# KiCad board dynamis.kicad_pcb (continued)
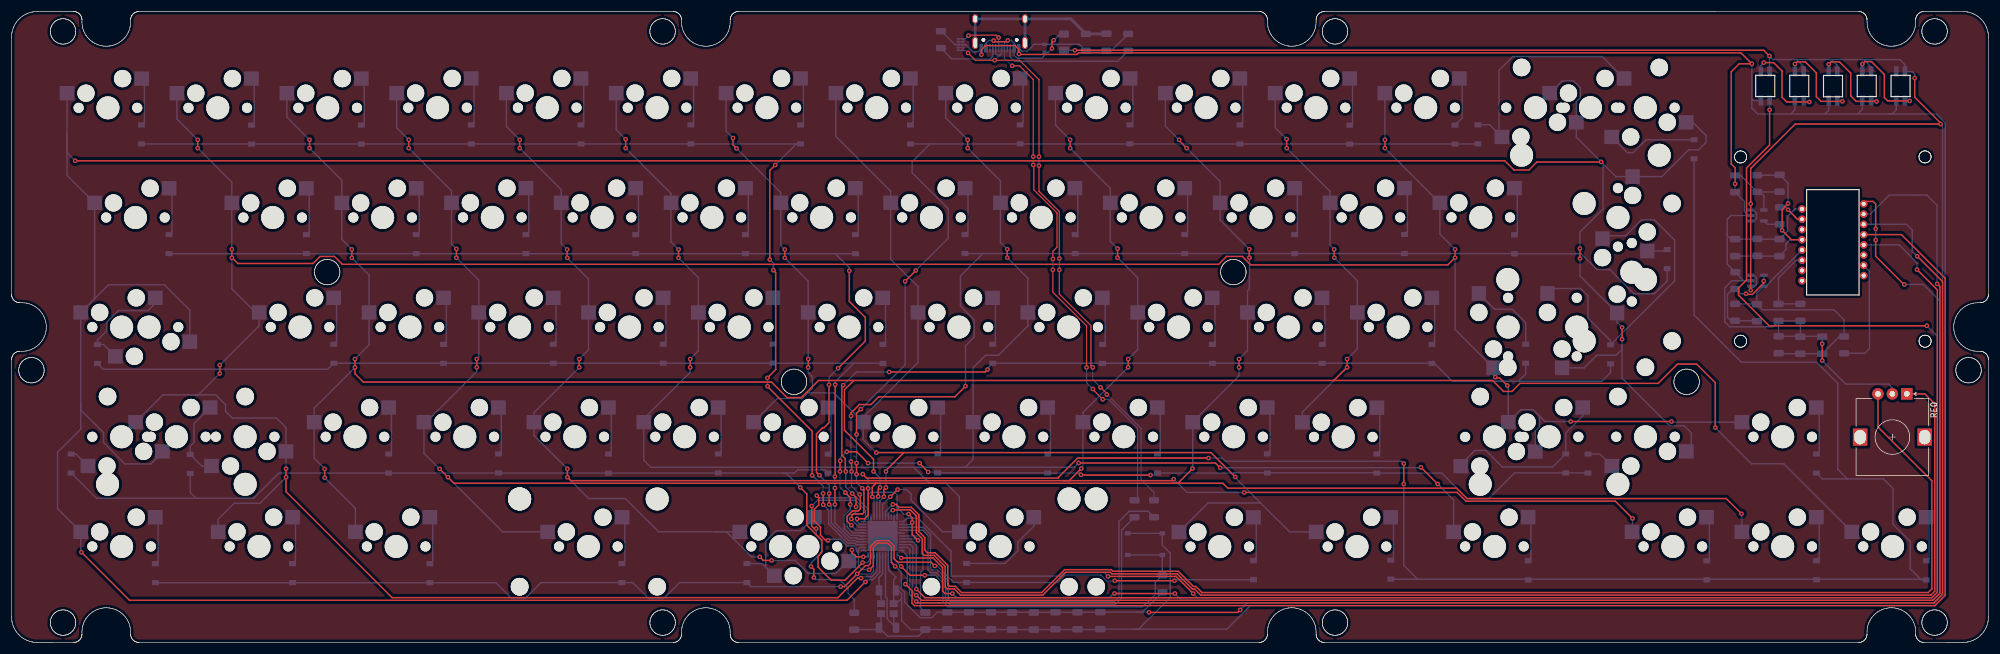
[diagram p0: board, top side]
## Nets
+5V: C3.1 C4.1 C5.1 C6.1 C13.1 C14.1 C17.1 C18.1 F0.2 LED00.1 LED01.1 LED02.1 LED03.1 LED04.1 R5.1 U0.2 U0.7 U0.14 U0.24 U0.34 U0.44 U2.1 U2.3 U3.1 U3.3
GND: C0.1 C1.2 C2.2 C3.2 C4.2 C5.2 C6.2 C7.2 C8.2 C9.2 C10.2 C11.2 C12.2 C13.2 C14.2 C16.2 C17.2 C18.2 C20.2 C21.1 ESDD0.2 J0.A1 J0.A12 J0.B1 J0.B12 LED00.3 LED01.3 LED02.3 LED03.3 LED04.3 R2.1 R3.1 R4.1 R10.2 R12.2 R13.1 RE0.C RESET_SW0.C RESET_SW0.D U0.5 U0.15 U0.23 U0.35 U0.43 U0.45 U1.8 U2.2 U3.2 U4.3 U4.8 Y0.2 Y0.4
GNDPWR: C21.2 J0.S1 R13.2
VCC: ESDD0.1 F0.1 J0.A4 J0.A9 J0.B4 J0.B9
VDD_3_3v: C11.1 C12.1 C19.1 C20.1 R6.2 R11.1 U1.5 U3.5
VDD_SS: C9.1 C10.1 C15.1 C16.1 R7.1 R9.1 U1.4 U2.5
col00: SW00_00.1 SW01_00.1 SW03_00.1 SW04_00.1 SW06_00.1 SW08_00.1 SW09_00.1 SWBS_L00.1 SWBS_S00.1 SWCL_N00.1 SWCL_S00.1 SWET_AN00.1 SWET_IS00.1 U0.18
col01: SW00_01.1 SW01_01.1 SW02_01.1 SW04_01.1 SW05_01.1 SW06_01.1 SW07_01.1 SW09_01.1 SWLS_L01.1 SWLS_S01.1 SWRS_L01.1 SWRS_S01.1 U0.19
col02: SW00_02.1 SW01_02.1 SW02_02.1 SW03_02.1 SW04_02.1 SW05_02.1 SW06_02.1 SW07_02.1 SW08_02.1 SW09_02.1 U0.37
col03: SW00_03.1 SW01_03.1 SW02_03.1 SW03_03.1 SW04_03.1 SW05_03.1 SW06_03.1 SW07_03.1 SW08_03.1 SW09_03.1 U0.36
col04: SW00_04.1 SW01_04.1 SW02_04.1 SW03_04.1 SW05_04.1 SW06_04.1 SW07_04.1 SW08_04.1 SW09_04.1 SWSP_L04.1 SWSP_S04.1 U0.22
col05: SW00_05.1 SW01_05.1 SW02_05.1 SW03_05.1 SW04_05.1 SW05_05.1 SW06_05.1 SW07_05.1 SW08_05.1 SW09_05.1 U0.39
col06: SW00_06.1 SW01_06.1 SW02_06.1 SW03_06.1 SW04_06.1 SW05_06.1 SW06_06.1 SW07_06.1 SW08_06.1 SW09_06.1 U0.38
D+: J0.A6 J0.B6 R0.2 U4.4 U4.5 U4.6 U4.7
D-: J0.A7 J0.B7 R1.2 U4.1 U4.2 U4.9 U4.10
LED: LED00.4 U0.1
MISO: U0.11 U1.12
MOSI: U0.10 U1.11
MOTION: U0.12 U1.9
NCS: U0.8 U1.13
RE_A: RE0.A U0.41
RE_B: RE0.B U0.40
RESET: R5.2 RESET_SW0.A RESET_SW0.B U0.13
row00: D00_00.1 D00_01.1 D00_02.1 D00_03.1 D00_04.1 D00_05.1 D00_06.1 U0.25
row01: D01_00.1 D01_01.1 D01_02.1 D01_03.1 D01_04.1 D01_05.1 D01_06.1 U0.26
row02: D02_00.1 D02_01.1 D02_02.1 D02_03.1 D02_04.1 D02_05.1 D02_06.1 U0.27
row03: D03_00.1 D03_01.1 D03_02.1 D03_03.1 D03_04.1 D03_05.1 D03_06.1 U0.21
row04: D04_00.1 D04_01.1 D04_02.1 D04_03.1 D04_04.1 D04_05.1 D04_06.1 U0.20
row05: D05_00.1 D05_01.1 D05_02.1 D05_03.1 D05_04.1 D05_05.1 D05_06.1 U0.31
row06: D06_00.1 D06_01.1 D06_02.1 D06_03.1 D06_04.1 D06_05.1 D06_06.1 U0.30
row07: D07_00.1 D07_01.1 D07_02.1 D07_03.1 D07_04.1 D07_05.1 D07_06.1 U0.29
row08: D08_00.1 D08_01.1 D08_02.1 D08_03.1 D08_04.1 D08_05.1 D08_06.1 U0.28
row09: D09_00.1 D09_01.1 D09_02.1 D09_03.1 D09_04.1 D09_05.1 D09_06.1 U0.32
SCLK: U0.9 U1.10
Net-(C0-Pad2): C0.2 U0.17 Y0.3
Net-(C1-Pad1): C1.1 U0.16 Y0.1
Net-(C2-Pad1): C2.1 U0.6
Net-(C7-Pad1): C7.1 C8.1 U1.3
Net-(C15-Pad2): C15.2 R9.2 R10.1 U2.4
Net-(C19-Pad2): C19.2 R11.2 R12.1 U3.4
Net-(D00_00-Pad2): D00_00.2 SW00_00.2
Net-(D00_01-Pad2): D00_01.2 SW00_01.2
Net-(D00_02-Pad2): D00_02.2 SW00_02.2
Net-(D00_03-Pad2): D00_03.2 SW00_03.2
Net-(D00_04-Pad2): D00_04.2 SW00_04.2
Net-(D00_05-Pad2): D00_05.2 SW00_05.2
Net-(D00_06-Pad2): D00_06.2 SW00_06.2
Net-(D01_00-Pad2): D01_00.2 SW01_00.2
Net-(D01_01-Pad2): D01_01.2 SW01_01.2
Net-(D01_02-Pad2): D01_02.2 SW01_02.2
Net-(D01_03-Pad2): D01_03.2 SW01_03.2
Net-(D01_04-Pad2): D01_04.2 SW01_04.2
Net-(D01_05-Pad2): D01_05.2 SW01_05.2
Net-(D01_06-Pad2): D01_06.2 SW01_06.2
Net-(D02_00-Pad2): D02_00.2 SWCL_N00.2 SWCL_S00.2
Net-(D02_01-Pad2): D02_01.2 SW02_01.2
Net-(D02_02-Pad2): D02_02.2 SW02_02.2
Net-(D02_03-Pad2): D02_03.2 SW02_03.2
Net-(D02_04-Pad2): D02_04.2 SW02_04.2
Net-(D02_05-Pad2): D02_05.2 SW02_05.2
Net-(D02_06-Pad2): D02_06.2 SW02_06.2
Net-(D03_00-Pad2): D03_00.2 SW03_00.2
Net-(D03_01-Pad2): D03_01.2 SWLS_L01.2 SWLS_S01.2
Net-(D03_02-Pad2): D03_02.2 SW03_02.2
Net-(D03_03-Pad2): D03_03.2 SW03_03.2
Net-(D03_04-Pad2): D03_04.2 SW03_04.2
Net-(D03_05-Pad2): D03_05.2 SW03_05.2
Net-(D03_06-Pad2): D03_06.2 SW03_06.2
Net-(D04_00-Pad2): D04_00.2 SW04_00.2
Net-(D04_01-Pad2): D04_01.2 SW04_01.2
Net-(D04_02-Pad2): D04_02.2 SW04_02.2
Net-(D04_03-Pad2): D04_03.2 SW04_03.2
Net-(D04_04-Pad2): D04_04.2 SWSP_L04.2 SWSP_S04.2
Net-(D04_05-Pad2): D04_05.2 SW04_05.2
Net-(D04_06-Pad2): D04_06.2 SW04_06.2
Net-(D05_00-Pad2): D05_00.2 SWBS_L00.2 SWBS_S00.2
Net-(D05_01-Pad2): D05_01.2 SW05_01.2
Net-(D05_02-Pad2): D05_02.2 SW05_02.2
Net-(D05_03-Pad2): D05_03.2 SW05_03.2
Net-(D05_04-Pad2): D05_04.2 SW05_04.2
Net-(D05_05-Pad2): D05_05.2 SW05_05.2
Net-(D05_06-Pad2): D05_06.2 SW05_06.2
Net-(D06_00-Pad2): D06_00.2 SW06_00.2
Net-(D06_01-Pad2): D06_01.2 SW06_01.2
Net-(D06_02-Pad2): D06_02.2 SW06_02.2
Net-(D06_03-Pad2): D06_03.2 SW06_03.2
Net-(D06_04-Pad2): D06_04.2 SW06_04.2
Net-(D06_05-Pad2): D06_05.2 SW06_05.2
Net-(D06_06-Pad2): D06_06.2 SW06_06.2
Net-(D07_00-Pad2): D07_00.2 SWET_AN00.2 SWET_IS00.2
Net-(D07_01-Pad2): D07_01.2 SW07_01.2
Net-(D07_02-Pad2): D07_02.2 SW07_02.2
Net-(D07_03-Pad2): D07_03.2 SW07_03.2
Net-(D07_04-Pad2): D07_04.2 SW07_04.2
Net-(D07_05-Pad2): D07_05.2 SW07_05.2
Net-(D07_06-Pad2): D07_06.2 SW07_06.2
Net-(D08_00-Pad2): D08_00.2 SW08_00.2
Net-(D08_01-Pad2): D08_01.2 SWRS_L01.2 SWRS_S01.2
Net-(D08_02-Pad2): D08_02.2 SW08_02.2
Net-(D08_03-Pad2): D08_03.2 SW08_03.2
Net-(D08_04-Pad2): D08_04.2 SW08_04.2
Net-(D08_05-Pad2): D08_05.2 SW08_05.2
Net-(D08_06-Pad2): D08_06.2 SW08_06.2
Net-(D09_00-Pad2): D09_00.2 SW09_00.2
Net-(D09_01-Pad2): D09_01.2 SW09_01.2
Net-(D09_02-Pad2): D09_02.2 SW09_02.2
Net-(D09_03-Pad2): D09_03.2 SW09_03.2
Net-(D09_04-Pad2): D09_04.2 SW09_04.2
Net-(D09_05-Pad2): D09_05.2 SW09_05.2
Net-(D09_06-Pad2): D09_06.2 SW09_06.2
Net-(J0-PadA5): J0.A5 R3.2
Net-(J0-PadB5): J0.B5 R4.2
Net-(LED00-Pad2): LED00.2 LED01.4
Net-(LED01-Pad2): LED01.2 LED02.4
Net-(LED02-Pad2): LED02.2 LED03.4
Net-(LED03-Pad2): LED03.2 LED04.4
Net-(R0-Pad1): R0.1 U0.4
Net-(R1-Pad1): R1.1 U0.3
Net-(R2-Pad2): R2.2 U0.33
Net-(R6-Pad1): R6.1 U1.7
Net-(R7-Pad2): R7.2 U1.15

Pads without a net: J0 A8 B8; LED04 2; RE0 MP; U0 42; U1 1 2 6 14 16

## Via types
v1: diameter 0.8, hole 0.4, Top to Bottom, 253 vias

## Routing (per net, layer and track width the routed paths; a pad name or vN(x,y) marks a point on that pad's centre or on a via; arc(x,y) is an arc through that point)
+5V: length 587.2
  Top w0.25: v1(141.62,17.73) 141.23,17.73 140.32,18.64 140.32,20.05 139.3,21.08 139.25,21.08 139.25,23.12 140.02,23.9 140.02,25.15 v1(139.67,25.5) ; v1(301.67,61.18) v1(301.67,76.18) 301.67,82.33 309.38,90.03 v1(334.62,90.03) 334.62,90.21 330.12,94.7 v1(330.12,98.03) ; v1(153.27,13.23) 153.27,13.25 152.62,13.9 152.62,16.6 151.97,17.25 150.21,17.25 149.47,16.51 149.47,13.32 v1(148.77,12.63) ; v1(213.12,5.65) 212.7,5.23 v1(197.3,5.23) ; v1(184.45,102.85) 303.92,102.85 v1(304.92,101.85) ; v1(157.23,17.74) 156.22,18.75 v1(156.22,20.85) 156.22,21.67 v1(155.6,22.3)
  Bottom w0.25: U0.34 148.6,22.55 ; 148.6,22.55 148.6,23.13 146.57,25.15 140.02,25.15 v1(139.67,25.5) ; 148.6,22.55 148.6,25.6 149.07,26.08 153.17,26.08 153.6,25.65 153.6,24.18 ; 195.2,5.28 C18.1 188.82,5.25 C3.1 160.57,5.25 159.62,4.3 157.61,4.3 154.9,7.01 154.9,8.78 154.32,9.35 154.32,12.19 153.98,12.52 153.97,12.52 v1(153.27,13.23) 153.27,13.25 152.6,13.93 U0.14 ; 195.2,5.28 197.25,5.28 v1(197.3,5.23) ; 195.2,5.28 196.16,5.28 R5.1 ; 146.9,15.45 146.9,15.58 146.52,15.95 146.52,16.35 146.07,16.8 144.9,16.8 144.87,16.78 144.87,16.8 143.74,17.93 141.82,17.93 v1(141.62,17.73) ; 146.9,15.45 146.9,16.23 147.17,16.5 U0.24 ; 146.9,15.45 146.9,13.25 147.47,12.68 148.72,12.68 v1(148.77,12.63) ; LED02.1 316.7,100.2 315.67,101.23 ; U0.7 156.97,18 v1(157.23,17.74) ; U3.1 302.25,73.2 302.67,73.62 302.67,74.58 302.15,75.1 U3.3 301.68,76.16 v1(301.67,76.18) ; 321.02,101.23 321.3,101.23 322.55,99.98 LED03.1 ; 321.02,101.23 315.67,101.23 ; 321.02,101.23 327.52,101.23 328.42,100.33 LED04.1 329.67,99.15 330.12,98.7 v1(330.12,98.03) ; 309.62,101.23 310.85,100 LED01.1 ; 309.62,101.23 315.67,101.23 ; 309.62,101.23 305.55,101.23 v1(304.92,101.85) 304.95,101.83 LED00.1 ; U0.2 155.87,20.5 v1(156.22,20.85) ; v1(155.6,22.3) 154.77,22.3 153.6,23.48 153.6,24.18 ; v1(301.67,61.18) 301.67,61.86 U2.1 302.35,61.88 302.67,62.2 302.67,63.33 302.22,63.78 U2.3 ; v1(213.12,5.65) 214.35,6.87 333.41,6.87 334.95,8.41 334.95,89.7 v1(334.62,90.03) ; 153.6,24.18 U0.44 ; F0.2 v1(184.45,102.85)
GND: length 692.8
  Top w0.25: v1(314.07,51.88) v1(314.07,48.98) ; v1(168.22,102.08) 168.22,102.93 168.95,103.65 174.1,103.65 174.75,103 v1(174.75,102.19) 174.81,102.13 184.82,102.13 185.1,102.4 299.97,102.4 v1(301.87,100.5) 299.67,100.5 298.3,99.13 298.3,83.1 298.97,82.43 v1(298.97,79.65)
  Bottom w0.25: U0.45 151.6,19 U0.5 ; U0.45 153.1,20.5 U0.43 ; U0.45 152.1,17.5 U0.15 152.1,12.63 153.42,11.3 153.02,10.9 153.02,9.03 153.82,9.03 154.4,8.45 154.4,7.65 ; U0.45 148.62,16.02 147.78,16.02 U0.23 ; U0.45 149.1,20.5 U0.35 ; 154.4,7.65 153.5,6.75 Y0.4 153.02,8.63 C0.1 ; 154.4,7.65 154.4,3.8 155.95,2.25 158.5,2.25 ; v1(314.07,48.98) 314.07,48.95 318.15,44.88 325.57,44.88 326.25,44.2 RE0.C ; C7.2 306.5,53.2 C16.2 314,53.18 C10.2 v1(314.07,51.88) ; C7.2 305.5,54.83 298.05,54.83 297.17,55.7 297.17,61.58 298.42,62.83 U2.2 300.47,62.83 299,64.3 R10.2 297.6,65.71 297.6,71.03 ; C7.2 306.52,55.85 C8.2 310.3,53.13 C9.2 ; Y0.2 150.82,2.93 C1.2 ; 301.87,94.35 301.87,92.8 302.9,91.78 308.6,91.78 ; 301.87,94.35 v1(301.87,100.5) ; 301.87,94.35 302.1,94.13 303.42,94.13 LED00.3 ; C1.2 150.13,2.24 R2.1 ; C1.2 151.95,1.1 157.35,1.1 158.5,2.25 ; 194.62,2.33 210.82,2.33 214.92,6.43 333.6,6.43 335.4,8.23 335.4,90.28 333.9,91.78 325.65,91.78 ; 194.62,2.33 C18.2 188.77,2.25 158.5,2.25 ; 194.62,2.33 195.5,2.33 201,7.83 201,15.5 199.61,16.89 RESET_SW0.D RESET_SW0.C ; U1.8 309.36,75.29 308.07,74 308.07,71.45 C11.2 C20.2 298.22,70.05 297.6,70.68 297.6,71.03 ; 314.52,91.78 320.2,91.78 ; 314.52,91.78 308.6,91.78 ; 314.52,91.78 315.2,92.45 LED02.3 ; 320.2,91.78 321.05,92.63 LED03.3 ; 320.2,91.78 325.65,91.78 ; R4.1 190.78,102.78 C21.1 189.91,102.76 R13.1 185.23,103.88 ESDD0.2 177.37,103.88 176.2,102.7 175.23,102.7 J0.A12 174.75,103.18 v1(174.75,102.19) ; R3.1 161.29,106.16 163.63,103.83 U4.3 U4.8 165.5,103.83 166.72,102.6 167.62,102.6 168.22,103.2 J0.A1 v1(168.22,102.08) ; 325.65,91.78 326.22,91.78 326.92,92.48 LED04.3 ; 308.6,91.78 309.35,92.53 LED01.3 ; 297.6,71.03 297.6,73.5 298.25,74.15 U3.2 301.3,74.15 300.55,74.9 300.55,76.61 R12.2 v1(298.97,79.65)
GNDPWR: length 32.2
  Bottom w0.5: C21.2 189.88,105.69 R13.2 183.73,108.3 J0.S1 ; J0.S1 J0.S1 J0.S1 ; J0.S1 J0.S1
VCC: length 20
  Top w0.25: v1(180.47,103.15) 180.47,104.3 v1(180.77,104.6) ; v1(172.81,104.56) 172.58,104.33 170.55,104.33 v1(170.35,104.53)
  Bottom w0.25: J0.A4 169.02,104.03 169.54,104.55 170.33,104.55 v1(170.35,104.53) ; v1(172.81,104.56) 173.47,104.56 173.92,104.1 J0.A9 173.92,101.95 174.4,101.47 178.71,101.47 179.15,101.9 ESDD0.1 179.8,102.48 v1(180.47,103.15) ; v1(180.77,104.6) 181.5,105.33 181.82,105.65 F0.1
VDD_3_3v: length 36.3
  Top w0.25: U1.5 308.75,69.95 v1(307.12,71.58) 307.12,75.2 v1(308.15,76.23)
  Bottom w0.25: U3.5 304.52,72.64 R6.2 306.72,71.98 v1(307.12,71.58) ; R11.1 306.63,81.16 C19.1 308.15,79.78 v1(308.15,76.23) ; U1.5 308.49,69.95 307.8,69.25 307.8,68.23 306.67,67.1 298.97,67.1
VDD_SS: length 48.4
  Bottom w0.25: C16.1 306.6,50.15 C10.1 317.06,53.14 R7.1 317.87,56.03 316.12,57.78 303.72,57.78 C15.1 ; R9.1 302.68,58.81 C15.1 ; C15.1 302.75,60.66 U2.5 304.28,61.88 U1.4
col00: length 673.4
  Top w0.25: v1(148.1,10.51) 148.08,10.51 144.9,7.33 20.47,7.33 v1(12.12,15.68) ; v1(272.06,66.69) 272.06,68.41 v1(272.05,68.43) ; v1(275.73,83.46) 275.72,83.45 264.6,83.45 263.2,82.05 260.62,82.05 259.02,83.65 v1(11.05,83.65) ; v1(279.36,54.71) v1(279.36,52.66)
  Bottom w0.25: 276.06,83.14 276.06,75.29 272.05,71.28 v1(272.05,68.43) ; 276.06,83.14 278.29,80.91 SW06_00.1 286.26,80.91 290.9,85.55 292.65,85.55 293.92,86.83 293.92,88.05 291.64,90.34 SW09_00.1 ; 276.06,83.14 v1(275.73,83.46) 271.43,87.77 SWBS_S00.1 271.43,93.94 272.12,94.63 272.12,96.35 270.95,97.53 268.97,97.53 266.86,95.41 SWBS_L00.1 ; 12.01,41.52 12.01,37.07 7.97,33.03 7.97,23.26 SW04_00.1 12.01,15.79 v1(12.12,15.68) ; 12.01,41.52 12.01,40.39 15.97,36.43 15.97,34.7 19.67,31 24.17,31 26.18,33.01 SW03_00.1 ; 12.01,41.52 SWCL_S00.1 14.23,59.54 ; SWCL_N00.1 30.93,57.72 26.52,62.13 16.82,62.13 14.23,59.54 ; v1(11.05,83.65) 9.64,85.06 9.64,88.21 ; 9.64,88.21 9.64,81.12 SW01_00.1 14.41,59.72 14.23,59.54 ; 9.64,88.21 9.64,95.39 ; U0.18 150.6,12.14 149.33,10.88 148.47,10.88 v1(148.1,10.51) ; 279.35,51.8 279.35,50.9 278.35,49.9 275,49.9 272.79,47.69 SWET_AN00.1 ; 279.35,51.8 279.35,45.9 287.62,37.63 290.12,37.63 291.37,36.38 291.37,34.05 SW08_00.1 ; 279.35,51.8 279.35,52.65 v1(279.36,52.66) ; v1(272.06,66.69) 272.06,63.66 SWET_IS00.1 278.51,55.57 v1(279.36,54.71)
col01: length 568.2
  Top w0.25: v1(259.47,44.63) 259.45,44.63 258.15,45.93 257.52,45.93 v1(257.37,46.07) ; v1(147.36,11.17) 146.72,11.17 143.33,7.79 66.01,7.79 47.62,26.18 v1(47.62,28.7) v1(47.62,30.18) ; v1(36.12,48.17) v1(36.12,46.73) ; v1(238.22,87.3) v1(238.22,85.85) ; v1(250.4,68.27) v1(250.4,66.83) 249.15,65.58 214.95,65.58 213.47,67.05 210.75,67.05 209.37,65.68 57.37,65.68 56,67.05 53.52,67.05 52.3,65.83 39.25,65.83 38.27,66.8 v1(38.22,66.8) v1(38.22,68.3) ; v1(32.3,87.3) v1(32.3,85.85) ; v1(287.92,38.38) v1(270.45,38.38)
  Bottom w0.25: SWLS_L01.1 26.25,43 31.9,43 ; v1(250.4,66.83) 250.4,54.35 SW07_01.1 257.05,47.68 257.05,46.35 257.09,46.35 v1(257.37,46.07) ; v1(250.4,68.27) 247.76,70.91 SW06_01.1 247.71,76.37 v1(238.22,85.85) ; v1(270.45,38.38) 266,38.38 265.05,39.33 ; 31.9,43 35.42,43 37.12,41.3 37.12,40.15 38.3,38.98 45.95,38.98 47.61,37.32 SWLS_S01.1 47.61,30.19 v1(47.62,30.18) ; 31.9,43 32.4,43 v1(36.12,46.73) ; v1(238.22,87.3) 238.22,94.23 238.21,94.24 SW05_01.1 ; v1(36.12,48.17) 42.96,55.01 SW02_01.1 42.33,57.32 38.22,61.43 v1(38.22,66.8) ; v1(259.47,44.63) 259.61,44.49 SWRS_L01.1 261.77,40.43 263.95,40.43 265.05,39.33 ; v1(147.36,11.17) 147.58,11.4 149.22,11.4 150.1,12.28 U0.19 ; v1(38.22,68.3) 38.21,68.31 SW01_01.1 38.21,79.94 v1(32.3,85.85) ; 265.05,39.33 265.05,37.48 264.31,36.74 264.31,33.16 ; v1(287.92,38.38) 288.03,38.27 SW09_01.1 ; v1(32.3,87.3) 28.69,90.91 28.69,95.39 ; SW04_01.1 35.84,21.42 38.6,24.18 43.1,24.18 v1(47.62,28.7)
col02: length 469.5
  Top w0.25: 229.3,45.5 229.35,45.5 231.62,47.78 v1(231.67,47.78) v1(231.67,49.22) ; 229.3,45.5 256.9,45.5 258.8,43.6 260.25,43.6 261.65,45 285.62,45 288.97,48.35 292.3,48.35 295.52,45.13 v1(295.52,37.33) ; 229.3,45.5 146.1,45.5 ; v1(54.32,30.15) v1(54.32,28.63) ; v1(229.42,68.28) 229.42,66.85 v1(229.45,66.83) ; 146.1,45.5 144.47,43.88 144.47,36.88 149.52,31.83 v1(149.52,29.7) ; 146.1,45.5 139.97,45.5 137,42.53 134.52,42.53 131.82,45.23 61.02,45.23 59.57,46.68 v1(59.57,47.78) v1(59.57,49.22) ; v1(51.7,87.3) v1(51.7,85.85) ; v1(150.65,26.93) 150.32,26.6 v1(150.32,25.35) ; v1(59.02,68.28) v1(59.02,66.8) ; v1(221.17,87.43) 221.17,85.88 v1(221.2,85.85)
  Bottom w0.25: v1(229.42,68.28) 228.71,68.99 SW06_02.1 228.71,78.34 v1(221.2,85.85) ; SW04_02.1 59.64,23.31 v1(54.32,28.63) ; SW05_02.1 219.19,89.41 v1(221.17,87.43) ; v1(59.02,68.28) 57.29,70.01 SW01_02.1 57.29,80.26 v1(51.7,85.85) ; v1(59.57,47.78) 52.49,40.69 SW03_02.1 52.49,31.98 v1(54.32,30.15) ; v1(59.57,49.22) 62.01,51.66 SW02_02.1 62.01,63.81 v1(59.02,66.8) ; U0.37 150.1,25.13 v1(150.32,25.35) ; v1(149.52,29.7) 150.65,28.57 v1(150.65,26.93) ; 47.76,95.39 47.76,91.23 v1(51.7,87.3) ; v1(231.67,47.78) 223.91,40.02 SW08_02.1 ; SW09_02.1 319.19,19.26 307.42,31.03 301.82,31.03 v1(295.52,37.33) ; v1(231.67,49.22) 233.44,50.99 SW07_02.1 233.44,62.84 v1(229.45,66.83)
col03: length 416.1
  Top w0.25: 150.12,27.65 201.4,27.65 ; 150.12,27.65 76.75,27.65 v1(75.7,28.7) 74.25,30.15 v1(74.25,30.15) ; 150.12,27.65 149.97,27.65 149.3,26.98 149.3,25.32 v1(149.32,25.3) ; 201.4,27.65 210.12,27.65 210.97,26.8 250.65,26.8 252.45,25 297.42,25 v1(300.07,22.35) ; 201.4,27.65 202.3,27.65 v1(204.85,30.2) ; v1(212.92,49.23) v1(212.92,47.78) ; v1(203.85,85.85) 202.52,87.18 v1(202.52,87.3) ; v1(77.17,68.35) v1(77.17,66.8) ; v1(80.7,49.22) v1(80.7,47.78) ; v1(68.9,87.3) v1(68.9,85.85) ; v1(214.72,66.83) 214.7,66.85 v1(214.7,68.3)
  Bottom w0.25: v1(202.52,87.3) 200.14,89.68 SW05_03.1 ; v1(149.32,25.3) 149.6,25.02 U0.36 ; v1(203.85,85.85) 209.64,80.06 SW06_03.1 209.64,73.36 v1(214.7,68.3) ; v1(74.25,30.15) 71.54,32.86 SW03_03.1 71.91,38.27 80.7,47.05 v1(80.7,47.78) ; v1(300.07,22.35) 300.14,22.29 SW09_03.1 ; v1(68.9,85.85) 76.31,78.44 SW01_03.1 76.31,69.21 v1(77.17,68.35) ; v1(204.85,30.2) 204.89,30.24 204.89,38.29 212.92,46.33 v1(212.92,47.78) ; v1(80.7,49.22) 81.04,49.56 SW02_03.1 81.04,62.94 v1(77.17,66.8) ; SW00_03.1 66.81,89.39 v1(68.9,87.3) ; v1(214.72,66.83) 214.72,61.4 214.39,61.07 214.39,50.69 v1(212.92,49.23) ; SW04_03.1 85.19,19.21 v1(75.7,28.7)
col04: length 415.1
  Top w0.25: v1(213.81,26.06) 250.75,26.06 252.26,24.55 278.17,24.55 v1(281.17,21.55) ; v1(96.4,66.8) 96.37,66.83 v1(96.37,68.25) ; v1(193.67,47.78) 193.7,47.8 v1(193.7,49.22) ; v1(191.85,68.4) v1(191.85,66.83) ; 182.47,28.1 97.02,28.1 v1(96.42,28.7) v1(96.42,30.15) ; 182.47,28.1 183.45,28.1 v1(185.55,30.2) ; 182.47,28.1 201.32,28.1 v1(201.59,28.37) ; v1(131.85,14.25) 130.4,14.25 v1(129.77,14.88) ; v1(98.47,49.22) v1(98.47,47.78) ; v1(183.62,87.3) v1(183.62,85.85) ; v1(147.75,14.88) 146.47,14.88 145.77,15.58 v1(145.77,16.07) ; v1(88.15,87.3) v1(88.15,85.85)
  Bottom w0.25: v1(193.67,47.78) 185.84,39.94 SW08_04.1 185.84,30.49 v1(185.55,30.2) ; v1(96.42,28.7) 100.12,25 106.47,25 112.26,19.22 122.08,19.22 ; v1(96.4,66.8) 100.09,63.11 SW02_04.1 100.09,50.84 v1(98.47,49.22) ; v1(147.75,14.88) 148.31,14.88 U0.22 ; v1(201.59,28.37) 203.9,26.06 v1(213.81,26.06) ; 122.08,19.22 124.01,19.22 128.35,14.88 v1(129.77,14.88) ; 122.08,19.22 SWSP_S04.1 ; v1(193.7,49.22) 195.34,50.86 SW07_04.1 195.34,63.34 v1(191.85,66.83) ; 181.09,95.42 181.09,89.83 v1(183.62,87.3) ; v1(96.42,30.15) 96.42,30.15 90.61,35.96 SW03_04.1 90.61,39.92 v1(98.47,47.78) ; v1(88.15,85.85) 95.34,78.66 SW01_04.1 95.34,69.28 v1(96.37,68.25) ; 281.09,19.22 281.17,19.3 v1(281.17,21.55) ; SW00_04.1 85.84,89.61 v1(88.15,87.3) ; v1(183.62,85.85) 190.59,78.89 190.59,69.66 v1(191.85,68.4) ; v1(131.85,14.25) 135.92,14.25 138.17,12 143,12 145.13,14.14 SWSP_L04.1 145.77,14.68 v1(145.77,16.07)
col05: length 337.4
  Top w0.25: v1(153.71,26.56) 152.45,25.3 v1(152.42,25.3) ; v1(117.72,49.22) v1(117.72,47.78) ; v1(172.72,68.3) v1(172.72,66.83) ; v1(115.7,68.25) v1(115.7,66.8) ; v1(165.85,87.3) v1(165.85,85.85) ; v1(106.52,87.4) v1(106.52,85.85) ; v1(209.65,30.35) 208.82,31.18 185.12,31.18 v1(185.11,31.18) ; v1(244.47,30.43) v1(247.37,27.53)
  Bottom w0.25: U0.39 151.1,23.98 v1(152.42,25.3) ; v1(106.52,85.85) 114.39,77.99 SW01_05.1 114.39,69.56 v1(115.7,68.25) ; 164.6,30.43 184.35,30.43 v1(185.11,31.18) ; 164.6,30.43 165.42,30.43 166.79,31.79 SW08_05.1 166.79,47.72 168.95,49.88 171.2,49.88 176.29,54.97 SW07_05.1 176.29,63.26 v1(172.72,66.83) ; 164.6,30.43 156.17,30.43 ; 156.17,30.43 156.47,30.43 159.2,27.7 162.05,27.7 164.41,25.34 SW04_05.1 161.51,19.22 156.02,24.7 156.02,25.78 155.23,26.56 v1(153.71,26.56) ; 156.17,30.43 110.9,30.43 109.66,31.66 SW03_05.1 109.66,38.87 117.72,46.93 v1(117.72,47.78) ; v1(117.72,49.22) 119.14,50.64 SW02_05.1 119.14,63.36 v1(115.7,66.8) ; v1(247.37,27.52) 250.14,24.76 SW09_05.1 ; v1(106.52,87.4) 104.89,89.04 SW00_05.1 ; SW05_05.1 162.04,91.11 v1(165.85,87.3) ; v1(172.72,68.3) 171.54,69.49 SW06_05.1 171.54,80.16 v1(165.85,85.85) ; v1(209.65,30.35) 244.4,30.35 v1(244.47,30.43)
col06: length 266.3
  Top w0.25: 154.77,32.98 v1(150,32.98) ; 154.77,32.98 151.67,29.88 v1(151.67,29.7) ; 154.77,32.98 208.05,32.98 v1(212.27,28.75) ; v1(151.32,25.32) 151.32,26.57 v1(151.67,26.93) ; v1(125.77,85.8) 125.15,86.43 v1(125.15,87.6) ; v1(138.17,47.78) 138.2,47.8 v1(138.2,49.22) ; v1(134.12,68.25) v1(134.12,66.8)
  Bottom w0.25: SW08_06.1 147.74,35.24 v1(150,32.98) ; SW08_06.1 142.65,43.35 138.12,43.35 ; SW08_06.1 147.74,39.14 157.24,48.64 SW07_06.1 157.24,61.81 152.49,66.56 SW06_06.1 152.49,78.39 142.99,87.89 SW05_06.1 ; v1(138.17,47.78) 138.17,46.93 138.92,46.18 138.92,44.15 138.12,43.35 ; v1(125.77,85.8) 133.44,78.14 SW01_06.1 133.44,68.93 v1(134.12,68.25) ; v1(212.27,28.75) 212.27,28.63 216.67,24.23 ; SW03_06.1 132.8,42.35 137.12,42.35 138.12,43.35 ; 216.67,24.23 221.7,19.2 SW09_06.1 ; 216.67,24.23 207.52,24.23 202.49,19.2 SW04_06.1 ; U0.38 150.6,24.59 v1(151.32,25.32) ; 123.94,95.42 123.94,88.81 v1(125.15,87.6) ; v1(151.67,26.93) v1(151.67,29.7) ; v1(134.12,66.8) 138.19,62.74 SW02_06.1 138.19,49.23 v1(138.2,49.22)
D+: length 103.5
  Top w0.2: v1(189.27,42.23) 187.57,43.93 v1(187.57,44.03) ; v1(177.23,82.93) 177.32,82.83 177.32,78.63 181.35,74.6 181.35,68.65 180.62,67.93 v1(180.62,66.6) ; v1(177.22,84.38) 177.22,97.78 174.85,100.15 v1(173.57,100.15) ; v1(180.62,64.73) 180.62,60.84 186.47,54.99 v1(186.47,47.78) ; v1(171.22,105.05) 170.8,105.47 166.07,105.47 v1(166,105.4)
  Bottom w0.2: 171.22,104.18 171.42,104.38 172.03,104.38 172.22,104.18 J0.B6 172.22,101.5 v1(173.57,100.15) ; 171.22,104.18 v1(171.22,105.05) ; 171.22,104.18 J0.A6 ; U4.6 165.42,104.83 v1(166,105.4) ; U4.6 U4.5 U4.4 U4.7 U4.6 ; v1(187.57,44.03) 186.47,45.13 v1(186.47,47.78) ; v1(177.23,82.93) 177.23,84.37 v1(177.22,84.37) ; v1(189.27,42.23) 190.31,42.23 195.32,37.21 195.32,25.21 R0.2 ; v1(180.62,64.73) v1(180.62,66.6)
D-: length 104.1
  Top w0.2: v1(188.9,44.3) 189.98,43.21 v1(189.98,43.06) ; v1(165.91,102.39) 167.18,101.12 v1(170.54,101.12) 174.83,101.12 178.22,97.73 v1(178.22,84.37) ; v1(178.22,82.83) 178.22,78.38 181.75,74.85 v1(181.75,66.68) ; v1(181.75,64.73) 181.75,60.5 187.23,55.02 187.23,48.1 v1(187.55,47.78)
  Bottom w0.2: v1(178.22,82.83) v1(178.22,84.37) ; U4.10 U4.9 U4.2 U4.1 U4.10 ; U4.10 165.06,102.8 165.5,102.8 v1(165.91,102.39) ; 171.72,102.28 171.7,102.28 v1(170.54,101.12) ; 171.72,102.28 171.45,102 170.95,102 170.72,102.23 J0.B7 ; 171.72,102.28 J0.A7 ; v1(189.98,43.06) 190.03,43.06 195.92,37.18 195.92,28.33 198.17,26.08 R1.2 ; v1(181.75,64.73) v1(181.75,66.68) ; v1(187.55,47.78) 187.55,45.65 v1(188.9,44.3)
LED: length 306.9
  Top w0.25: v1(204.97,8.5) 202,11.48 v1(190.2,11.48) ; v1(304.95,92.5) 304.95,86.4 300.95,82.4 300.95,62.95 299.55,61.55 299.55,60.33 304.87,55 v1(332.22,55)
  Bottom w0.25: v1(204.97,8.5) 205.7,7.77 333.04,7.77 334.03,8.77 334.03,53.19 v1(332.22,55) ; v1(304.95,92.5) LED00.4 ; v1(190.2,11.48) 189.52,12.15 182.47,12.15 181.84,11.52 162.97,11.52 162.97,15.85 157.24,21.58 155.3,21.58 154.72,21 U0.1
MISO: length 262.6
  Top w0.25: v1(155.05,10.13) 156.21,8.96 156.21,8.15 156.2,8.14 156.2,6.83 156.62,6.4 333.63,6.4 335.4,8.17 335.4,63.25 327.81,70.84 U1.12
  Bottom w0.25: v1(155.05,10.13) 155.37,10.45 155.37,15.06 U0.11
MOSI: length 264.1
  Top w0.25: v1(156.92,7.13) 157.17,6.88 160.87,6.88 333.47,6.88 334.95,8.35 334.95,62.68 v1(330.55,67.07)
  Bottom w0.25: v1(156.92,7.13) 155.76,8.29 155.76,9.99 155.82,10.05 155.82,16.18 155.5,16.5 U0.10 ; v1(330.55,67.07) 329.7,67.92 329.7,71.63 328.71,72.62 U1.11
MOTION: length 264.3
  Top w0.25: v1(328.32,62.18) 328.25,62.18 323.35,67.08 v1(323.35,69.88) ; U1.9 321.7,76.6 322.92,76.6 323.35,76.17 v1(323.35,71.85) ; v1(163.2,8.5) 161.92,8.5 161.5,8.93 161.5,13.03 159.85,14.68 v1(154.32,14.68) ; v1(191.32,8.5) v1(201.8,8.5)
  Bottom w0.25: v1(163.2,8.5) 163.9,7.79 190.41,7.79 191.12,8.5 v1(191.32,8.5) ; v1(201.8,8.5) 202.97,7.32 333.22,7.32 334.5,8.6 334.5,59.3 331.62,62.18 v1(328.32,62.18) ; U0.12 153.83,15.16 v1(154.32,14.68) ; v1(323.35,69.88) v1(323.35,71.85)
NCS: length 257.7
  Top w0.25: v1(156.94,9.28) 156.94,9.26 158.42,7.78 333.1,7.78 334.05,8.73 334.05,61.23 v1(330.52,64.75)
  Bottom w0.25: U1.13 327.39,69.06 330.52,65.93 v1(330.52,64.75) ; v1(156.94,9.28) 156.94,16.94 156.37,17.5 U0.8
RE_A: length 235.5
  Top w0.25: RE0.A 331.45,43.18 331.47,43.15 331.9,43.15 333.6,41.45 333.6,8.91 332.91,8.22 206.27,8.22 205.25,9.25 205.25,9.28 204.83,9.28 202.18,11.92 190.85,11.92 190.57,12.2 182.85,12.2 178.87,8.22 164.6,8.22 163.52,9.3 162.3,9.3 161.95,9.65 161.95,13.21 160.03,15.12 158.3,15.12 157.96,15.46 157.96,18.04 156.95,19.05 156.95,21.97 155.9,23.02 152.92,23.02 v1(152.87,22.98)
  Bottom w0.25: U0.41 152.1,22.42 152.65,22.98 v1(152.87,22.98)
RE_B: length 235.5
  Top w0.25: RE0.B 323.75,37.43 333.1,28.08 333.1,9.3 332.47,8.67 206.46,8.67 206.45,8.68 206.45,8.71 205.43,9.72 205.02,9.72 202.37,12.37 191.03,12.37 190.76,12.65 182.66,12.65 178.68,8.67 164.78,8.67 163.71,9.75 162.7,9.75 162.4,10.05 162.4,13.4 160.22,15.58 158.87,15.58 158.41,16.04 158.41,18.24 157.4,19.25 157.4,22.16 156.08,23.47 153.95,23.47 153.45,23.97 v1(152.87,23.97)
  Bottom w0.25: v1(152.87,23.97) 152.85,23.97 151.6,22.72 U0.40
RESET: length 65.6
  Top w0.25: v1(154.32,13.2) 155.85,11.68 v1(158.4,11.68)
  Bottom w0.25: U0.13 153.1,14.43 v1(154.32,13.2) ; v1(158.4,11.68) 160.26,11.68 161.56,10.38 161.57,10.38 161.57,7.08 162.45,6.2 196.22,6.2 198.4,8.38 198.4,10.44 R5.2 199.61,11.68 RESET_SW0.B RESET_SW0.A
row00: length 195.9
  Top w0.25: v1(138.87,29.03) 138.87,36.7 131.15,44.43 v1(131.15,44.5) ; v1(140.77,25.87) 140.8,25.85 v1(140.8,23.93) ; v1(131.1,45.95) 132.55,47.4 132.55,64.25 v1(132.15,64.65) ; v1(131.52,66.5) 131.52,81.98 v1(132.47,82.93)
  Bottom w0.25: v1(132.15,64.65) 132.15,65.88 v1(131.52,66.5) ; D00_00.1 D00_06.1 136.12,86.58 v1(132.47,82.93) ; v1(131.1,45.95) 131.15,45.9 v1(131.15,44.5) ; v1(140.77,25.87) 140.77,27.13 v1(138.87,29.03) ; U0.25 146.51,17 146.26,17.25 145.06,17.25 141.72,20.58 141.72,23 v1(140.8,23.93)
row01: length 179.7
  Top w0.25: v1(141.8,44.75) 141.8,38.18 140.92,37.3 140.68,37.3 139.63,36.24 139.63,29.54 v1(140.12,29.05) ; v1(141.83,25.87) 141.82,25.86 v1(141.82,23.98) ; v1(145.32,64.55) 145.32,59.23 148.07,56.48 148.1,56.48 148.1,52.35 v1(143.37,47.63)
  Bottom w0.25: v1(140.12,29.05) 141.83,27.34 v1(141.83,25.87) ; v1(141.8,44.75) 141.8,46.05 v1(143.37,47.63) ; 142.87,67.53 D01_06.1 ; 142.87,67.53 D01_00.1 ; 142.87,67.53 145.32,65.08 v1(145.32,64.55) ; v1(141.82,23.98) 142.2,23.6 142.2,20.74 145.24,17.7 146.44,17.7 146.64,17.5 U0.26
row02: length 172.3
  Top w0.25: v1(142.82,23.98) v1(142.82,26.83) ; v1(142.83,28.82) 142.87,28.87 v1(142.87,44.78)
  Bottom w0.25: v1(142.83,28.82) 142.82,28.82 v1(142.82,26.83) ; D02_06.1 151.12,48.5 146.12,48.5 ; 146.12,48.5 142.87,45.25 v1(142.87,44.78) ; 146.12,48.5 D02_01.1 54.85,47.45 15.9,47.45 14.9,48.45 ; v1(142.82,23.98) 142.82,20.76 145.43,18.15 146.63,18.15 146.83,17.95 147.71,17.95 U0.27
row03: length 171.9
  Top w0.25: v1(147.62,13.88) 147.62,13.87 144.57,10.83 142.17,10.83 139.9,13.1 139.9,14.98 140.35,15.43 140.35,15.56 140.57,15.78 140.57,17.76 137.95,20.38 137.95,25.8 v1(136.82,26.93)
  Bottom w0.25: 32,25.05 31,26.05 D03_01.1 ; 32,25.05 42,25.05 46.37,29.43 D03_02.1 133.95,29.43 ; 32,25.05 14.72,25.05 D03_00.1 ; D03_06.1 141.1,29.98 136.32,29.98 135.77,29.43 133.95,29.43 ; 133.95,29.43 134.32,29.43 v1(136.82,26.93) ; v1(147.62,13.88) 148.4,13.88 149.1,14.58 U0.21
row04: length 211.6
  Top w0.25: v1(160.15,13.3) 159.49,13.95 153.72,13.95 153.07,14.6 153.07,16.79 152.16,17.7 150.02,17.7 148.97,16.65 148.97,13.7 148.62,13.35 148.12,13.35 v1(146.68,11.91) 144.47,9.7 v1(143.82,9.7) ; v1(191.37,10.73) v1(201.72,10.73)
  Bottom w0.25: D04_06.1 201.9,10.9 v1(201.72,10.73) ; v1(146.68,11.91) 146.7,11.9 149.07,11.9 149.5,12.33 149.5,14.25 149.6,14.35 U0.20 ; v1(160.15,13.3) 160.56,13.3 163.43,10.43 D04_05.1 181.42,10.43 182.7,11.7 188.95,11.7 189.95,10.7 191.35,10.7 v1(191.37,10.73) ; v1(143.82,9.7) 128.25,9.7 D04_04.1 115.87,10.4 113.1,7.63 110.55,7.63 107.77,10.4 D04_03.1 91.85,10.4 89.07,7.63 86.77,7.63 84.02,10.38 D04_02.1 D04_00.1
row05: length 179.1
  Top w0.25: v1(155,62.73) 156.85,64.58 v1(156.85,64.6) ; v1(146.57,29.2) v1(146.57,31.15) ; v1(145.66,21.44) 145.66,21.5 145.72,21.56 145.72,22.03 146.02,22.33 147.6,22.33 147.85,22.58 147.85,26.5 v1(147.57,26.78) ; v1(147.3,40.53) 146.57,39.8 v1(146.57,36.13)
  Bottom w0.25: 159.32,86.58 156.22,83.48 156.22,81.58 162.47,75.33 162.47,70.23 v1(156.85,64.6) ; 159.32,86.58 D05_06.1 ; 159.32,86.58 254.32,86.58 D05_00.1 ; v1(146.57,31.15) v1(146.57,36.13) ; v1(146.57,29.2) 146.57,27.78 v1(147.57,26.78) ; U0.31 147.04,20 145.66,21.37 v1(145.66,21.44) ; v1(147.3,40.53) 155,48.23 v1(155,62.73)
row06: length 200.3
  Top w0.25: v1(145.65,20.36) 144.94,21.07 144.94,21.94 145.85,22.85 146.87,22.85 147.22,23.2 147.22,25.6 v1(147.12,25.7) ; v1(145.71,29.7) 145.71,31.32 v1(145.61,31.42) ; v1(165.47,44.53) 165.47,44.5 163.65,42.68 163.64,42.68 150.43,42.68 149.07,41.33 147.07,41.33 145.62,39.88 v1(145.62,39.35)
  Bottom w0.25: v1(147.12,25.7) 145.71,27.12 v1(145.71,29.7) ; D06_00.1 287.17,62.75 284.97,60.55 281.45,60.55 277.22,64.78 275,64.78 272.27,67.5 D06_01.1 260.65,67.55 168.5,67.55 ; 168.5,67.55 164.6,63.65 164.6,58.45 167,56.05 167,53.05 165.47,51.53 v1(165.47,44.53) ; 168.5,67.55 D06_06.1 ; v1(145.61,31.42) 145.6,31.43 145.6,39.33 v1(145.62,39.35) ; U0.30 146.51,19.5 v1(145.65,20.36)
row07: length 171.9
  Top w0.25: v1(144.26,44.69) 144.02,44.45 144.02,32.52 144.62,31.93 144.62,29.79 v1(144.71,29.7) ; v1(145.82,25.87) 146.48,25.22 v1(146.48,23.58) ; v1(152.22,46.98) 168.87,46.98 v1(169.3,47.4)
  Bottom w0.25: v1(169.3,47.4) 169.3,47.6 D07_06.1 246.35,48.5 D07_02.1 246.8,48.48 249.92,45.35 261.37,45.35 ; 261.37,45.35 275.82,45.35 277.37,46.9 D07_00.1 ; 261.37,45.35 262.65,46.63 D07_01.1 ; v1(145.82,25.87) 144.71,26.99 v1(144.71,29.7) ; v1(146.48,23.58) 146.48,22.73 145.97,22.23 145.4,22.23 144.93,21.75 144.93,20.06 145.94,19.05 147.71,19.05 U0.29 ; v1(152.22,46.98) 146.55,46.98 v1(144.26,44.69)
row08: length 153.1
  Top w0.25: v1(197.57,29.08) 185.55,29.08 v1(185.5,29.13) ; v1(157.5,31.15) 157.5,31.1 v1(159,29.6) ; v1(143.71,29.7) 143.71,31.51 v1(143.75,31.55) ; v1(145.47,23.98) 145.47,25.18 v1(144.62,26.03) ; v1(144.87,33.13) 146.59,33.13 v1(148.57,31.15)
  Bottom w0.25: v1(159,29.6) 160.52,29.6 D08_06.1 179.67,29.48 D08_05.1 185.2,29.43 v1(185.5,29.13) ; v1(143.75,31.55) 143.75,32 v1(144.87,33.13) ; v1(197.57,29.08) 198.42,29.08 D08_04.1 211.92,29.43 211.97,29.48 236.77,29.48 D08_02.1 248.07,29.43 252.55,24.95 256.22,24.95 260.72,29.45 273.42,29.45 D08_00.1 ; v1(148.57,31.15) v1(157.5,31.15) ; U0.28 147.76,18.49 147.72,18.45 147.25,18.45 147.1,18.6 145.62,18.6 144.42,19.79 144.42,22.08 145.47,23.13 v1(145.47,23.98) ; v1(144.62,26.03) 143.71,26.94 v1(143.71,29.7)
